# Altium PCB MB1404.PcbDoc (part 4 of 7)
Units mm, origin at the board's own origin, x right, y up, seen from the top; angles counter-clockwise.
Board outline 70 x 133.34 mm, 6 copper layers (Top Layer, Signal Layer 1, Signal Layer 2, Signal Layer 3, Signal Layer 4, Bottom Layer), stack 1.57 mm thick; 345 components, 311 nets, 1508 pads, 1746 vias.
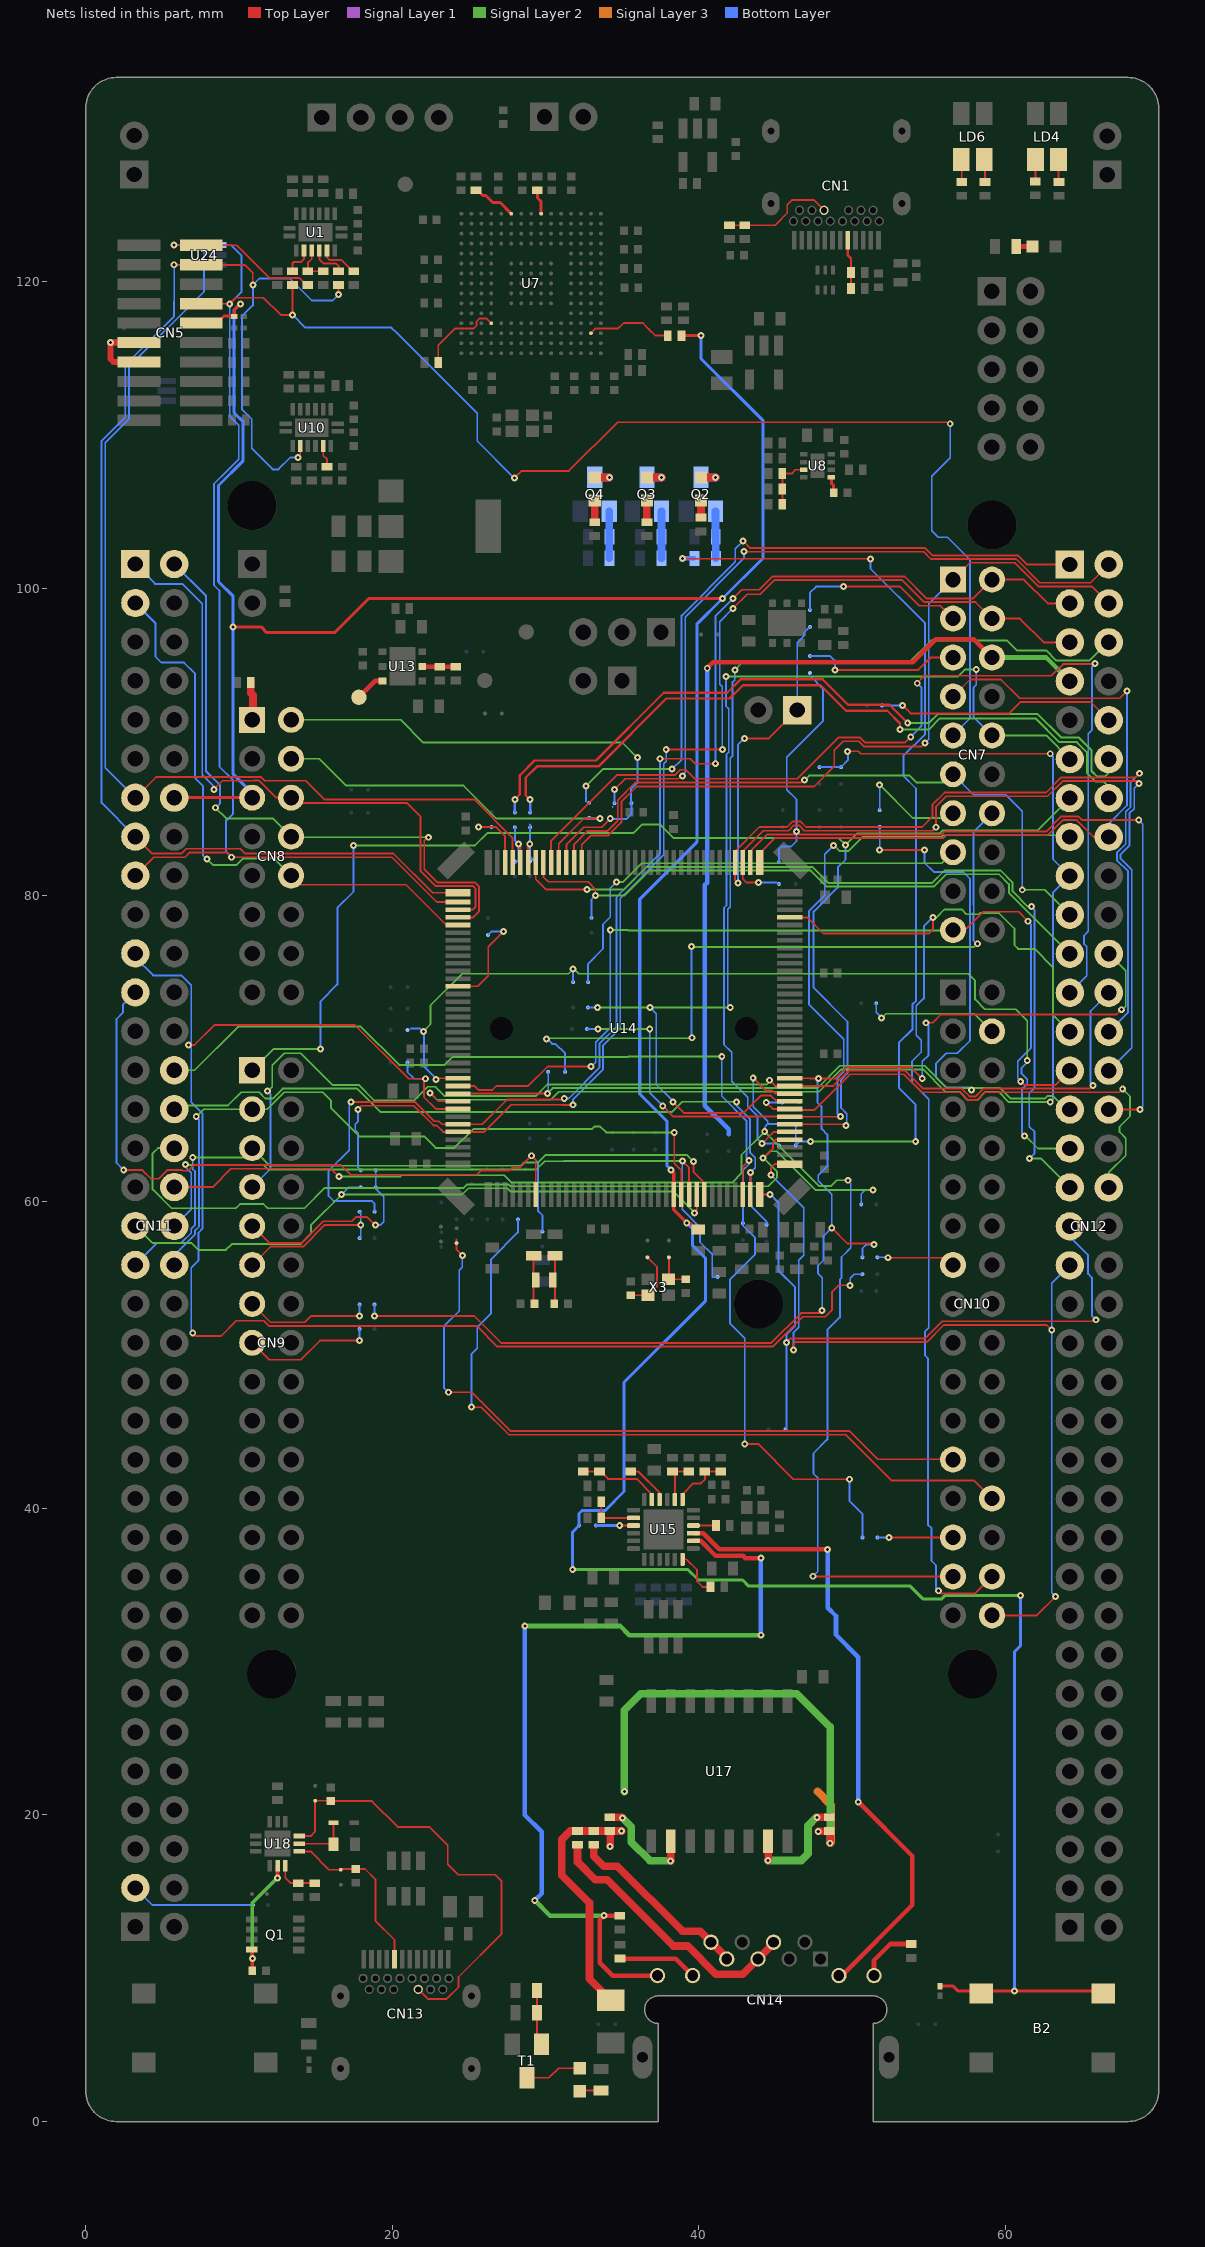
[diagram p8: the nets of this part, all layers, seen from the top]

## Via types
v1: diameter 0.45, hole 0.2, Top Layer to Bottom Layer, tented both sides, 1737 vias
v2: diameter 0.6, hole 0.3, Top Layer to Bottom Layer, tented both sides, 9 vias

## Nets (pads, with @x,y where several pads share a name; then routed paths per layer and width w, separated by ;. In a path a pad name is that pad's centre, name@x,y a point inside that pad or via, vN(x,y) a via of type N, cw(c..) or ccw(c..) an arc to the next point about the centre after c; other vN are vias at no path point) (continued)
NetC86_1: C86.1 CN13.B5 SB5.2 U18.9 | length 29.5
  Top Layer w0.12: U18.9@13.95,18.625 14.675,18.625 14.975,18.925 SB5.2@14.975,20.925 15.975,20.925 C86.1@16,20.9 18.675,20.9 20.35,19.225 22.425,19.225 23.625,18.025 23.625,16.775 24.3,16.1 26.725,16.1 27.125,15.7 27.125,12.23 24.325,9.43 24.325,8.775 23.55,8 22.325,8 CN13.B5@21.7,8.625
NetC87_1: C87.1 D1.2 U18.8 | length 3.6
  Top Layer w0.12: U18.8@13.95,18.125 16.15,18.125 C87.1@16.175,18.1 D1.2@16.175,19.5
NetC88_1: C88.1 CN13.A5 SB6.2 U18.7 | length 11.2
  Top Layer w0.12: U18.7@13.95,17.625 14.675,17.625 15.875,16.425 SB6.2@16.65,16.425 16.686,16.425 16.736,16.475 C88.1@17.625,16.475 18.225,16.475 18.9,15.8 18.9,13.1 20.15,11.85 20.15,10.925 CN13.A5@20.175,10.9
NetC90_1: C90.1 Q1.4 U18.5 | length 8.2
  Top Layer w0.25: Q1.4@10.85,11.225 10.875,11.2 v1(10.875,10.625) C90.1@10.875,9.825 ; v1(12.525,15.9) U18.5@12.525,16.7
  Signal Layer 2 w0.25: v1(10.875,10.625) 10.875,14.25 v1(12.525,15.9)
NetC91_2: C91.2 R51.1 R52.1 R53.1 R54.1 | length 50.1
  Top Layer w0.3: R51.1@34.141,18.904 R51.1@34.191,18.954 R51.1@34.216,18.929 ; R52.1@48.516,18.979 48.566,18.929 R52.1@48.616,18.979
  Top Layer w0.5: v1(34.216,17.954) R51.1@34.216,18.929 ; C91.2@34.25,7.925 32.866,9.309 32.866,14.279 31.066,16.079 31.066,18.4 31.62,18.954 R53.1@32.091,18.954 R54.1@33.141,18.954 R51.1@34.191,18.954 v1(34.966,18.954) ; v1(47.791,18.929) 48.566,18.929 v1(48.566,18.154)
  Signal Layer 2 w0.5: v1(35.141,21.529) 35.141,26.837 36.212,27.909 46.391,27.909 48.566,25.734 v1(48.566,18.154)
  Signal Layer 3 w0.5: 47.746,21.529 48.625,20.65 48.625,18.213 v1(48.566,18.154)
NetC92_2: C92.2 U8.1 | length 1
  Top Layer w0.2: U8.1@48.65,107.25 48.65,106.875 48.8,106.725 C92.2@48.8,106.35
NetCN1_A5: CN1.A5 R11.1 R27.1 | length 3.2
  Top Layer w0.155: CN1.A5@49.725,122.715 49.725,121.725 49.925,121.525 R11.1@49.925,120.625 R27.1@49.925,119.575
NetCN1_B5: CN1.B5 R64.1 R76.1 | length 7.4
  Top Layer w0.12: R64.1@42,123.7 R76.1@43,123.7 44.975,123.7 45.775,124.5 45.775,125.025 46.1,125.35 47.5,125.35 CN1.B5@48.15,124.7
NetCN5_11: CN5.11 CN5.13 SB84.2 | length 4.9
  Top Layer w0.4: v1@1.6,116.05 v1(1.625,116.05) CN5.11@3.476,116.05 ; v1@1.625,116.025 1.625,114.975 1.82,114.78 2.755,114.78 CN5.13@2.775,114.8
  Bottom Layer w0.4: v1(1.625,116.05) 2.35,116.05
NetCN7_3: CN7.3 SB10.2 | length 11.5
  Top Layer w0.12: v1(49.45,100.125) 53.136,100.125 54.381,98.88 55.749,98.88 CN7.3@56.586,98.043
  Bottom Layer w0.12: SB10.2@47.25,98.6 47.25,99.725 47.65,100.125 v1(49.45,100.125)
NetCN7_5: CN7.5 SB12.2 | length 10.4
  Top Layer w0.127: v1(48.875,94.7) 54.325,94.7 55.128,95.503 56.472,95.503 CN7.5@56.575,95.4
  Bottom Layer w0.127: SB12.2@47.25,95.6 48.575,95.6 48.871,95.304 48.871,94.704 v1(48.875,94.7)
NetCN7_6: CN7.6 CN12.7 SB46.1 | length 56.7
  Top Layer w0.3: v1@40.55,94.825 40.925,95.2 53.95,95.2 55.448,96.698 57.931,96.698 CN7.6@59.126,95.503
  Signal Layer 2 w0.3: CN7.6@59.126,95.503 62.657,95.503 CN12.7@64.206,93.954
  Bottom Layer w0.3: v1(40.55,94.8) 40.55,80.817 40.4,80.667 40.4,66.275 41.95,64.725 SB46.1@41.95,64.4
NetCN7_13: CN7.13 SB17.2 | length 7.5
  Signal Layer 2 w0.12: v1(51.8,87.2) 53.975,85.025 56.268,85.025 CN7.13@56.586,85.343
  Bottom Layer w0.12: SB17.2@51.8,85.55 v1(51.8,87.2)
NetCN7_14: CN7.14 SB41.1 | length 46.2
  Signal Layer 2 w0.12: v1(30.075,70.625) 30.113,70.663 39.512,70.663 v1(39.55,70.7) ; v1(39.525,76.65) 39.5,76.625 56.121,76.625 56.128,76.618 57.967,76.618 v1(58.178,76.829)
  Bottom Layer w0.12: v1(30.075,70.625) 30.106,70.625 30.431,70.3 30.65,70.3 31.275,69.675 SB41.1@31.275,68.475 ; v1(39.525,76.65) 39.525,70.725 v1(39.55,70.7) ; v1(58.178,76.829) 58.175,76.826 58.175,76.8 57.931,77.044 57.931,78.883 57.935,78.887 57.935,79.345 57.931,79.349 57.931,84.148 CN7.14@59.126,85.343
NetCN7_15: CN7.15 SB33.2 | length 30.1
  Signal Layer 2 w0.12: v1(34.625,80.85) 35.05,80.85 36.28,82.08 55.863,82.08 CN7.15@56.586,82.803
  Bottom Layer w0.12: SB33.2@32.775,74.325 32.775,75.525 33.75,76.5 33.75,78.1 34.225,78.575 34.225,80.45 v1(34.625,80.85)
NetCN8_1: CN8.1 R96.1 | length 2.3
  Top Layer w0.5: R96.1@10.775,93.875 10.78,93.87 10.78,93.184 10.925,93.039 CN8.1@10.925,91.625
NetCN9_9: CN9.9 SB52.2 SB53.2 | length 13.6
  Top Layer w0.12: CN9.9@10.866,58.419 11.971,57.314 14.099,57.314 15.513,58.728 17.352,58.728 17.625,59 18.375,59 v1(18.9,58.475)
  Bottom Layer w0.12: v1(18.9,58.475) 19.225,58.475 19.45,58.7 19.45,60.325 18.925,60.85 SB53.2@18.925,60.95 SB52.2@18.925,62.05
NetCN9_11: CN9.11 SB57.2 SB60.2 | length 10
  Top Layer w0.12: CN9.11@10.866,55.879 12.061,57.074 14.198,57.074 15.612,58.488 v1(17.95,58.488)
  Bottom Layer w0.12: SB60.2@17.875,57.625 17.95,57.7 v1(17.95,58.488) 17.95,59.275 SB57.2@17.875,59.35
NetCN9_13: CN9.13 SB66.2 | length 8.4
  Top Layer w0.12: CN9.13@10.866,53.339 12.061,52.144 14.3,52.144 14.706,52.55 v1(17.875,52.55)
  Bottom Layer w0.12: v1(17.875,52.55) SB66.2@17.875,53.3
NetCN9_15: CN9.15 SB67.2 | length 8.7
  Top Layer w0.12: CN9.15@10.866,50.799 11.971,49.694 14.044,49.694 15.3,50.95 v1(17.875,50.95)
  Bottom Layer w0.12: v1(17.875,50.95) SB67.2@17.875,51.7
NetCN10_4: CN10.4 SB35.1 | length 8.9
  Signal Layer 2 w0.12: v1(51.925,72) 51.925,71.975 52.212,72.262 57.983,72.262 CN10.4@59.126,71.119
  Bottom Layer w0.12: SB35.1@51.575,72.944 51.575,72.35 v1(51.925,72)
NetCN10_15: CN10.15 SB61.2 | length 5.1
  Top Layer w0.12: v1(52.35,56.35) 56.115,56.35 CN10.15@56.586,55.879
  Bottom Layer w0.12: SB61.2@51.65,56.375 52.325,56.375 v1(52.35,56.35)
NetCN10_25: CN10.25 SB70.2 | length 45.5
  Top Layer w0.12: v1(23.675,47.575) 25.183,47.575 27.708,45.05 49.825,45.05 51.675,43.2 56.565,43.2 CN10.25@56.586,43.179 ; 24.2,57.542 24.2,56.875 v1(24.575,56.5)
  Bottom Layer w0.12: v1(23.675,47.575) 23.375,47.875 23.375,51.875 24.375,52.875 24.375,55.525 24.575,55.725 v1(24.575,56.5)
NetCN10_28: CN10.28 SB71.1 | length 49.9
  Top Layer w0.12: v1(25.175,46.6) 25.819,46.6 27.619,44.8 49.575,44.8 52.55,41.825 57.94,41.825 CN10.28@59.126,40.639
  Bottom Layer w0.12: v1(25.175,46.6) 25.175,50.075 25.55,50.45 25.55,51.825 26.45,52.725 26.45,56.25 28.2,58 SB71.1@28.2,58.85
NetCN10_29: CN10.29 SB73.2 | length 4.9
  Top Layer w0.12: v1(52.399,38.099) CN10.29@56.586,38.099
  Bottom Layer w0.12: SB73.2@51.65,38.1 52.398,38.1 v1(52.399,38.099)
NetCN11_69: CN11.69 SB75.2 | length 8.1
  Bottom Layer w0.12: CN11.69@3.246,15.239 4.36,14.125 SB75.2@10.925,14.125
NetCN12_1: CN12.1 SB20.2 | length 45.9
  Top Layer w0.12: v1(42.891,103.104) 43.351,102.644 54.765,102.644 55.241,102.168 60.806,102.168 61.4,101.574 CN12.1@64.206,101.574
  Signal Layer 2 w0.12: v1(32.65,87.125) 33.748,88.223 38.24,88.223 v1(38.252,88.235)
  Bottom Layer w0.12: 32.65,86.1 32.65,87.075 v1@32.7,87.125 ; v1(38.252,88.235) 38.264,88.235 38.875,88.846 38.875,98.239 42.375,101.739 42.375,102.588 v1(42.891,103.104)
NetCN12_2: CN12.2 SB19.1 | length 47.2
  Top Layer w0.12: v1(34.5,86.9) 35.19,87.59 38.676,87.59 38.861,87.775 v1(38.95,87.775) ; v1(42.943,102.406) 42.941,102.404 54.666,102.404 55.142,101.928 60.706,101.928 62.255,100.379 65.551,100.379 CN12.2@66.746,101.574
  Bottom Layer w0.12: 34.375,85.762 34.388,85.75 ; SB19.1@34.5,86 34.5,86.825 v1@34.55,86.875 ; v1(38.95,87.775) 38.95,87.85 39.115,88.015 39.115,98.14 42.943,101.968 v1(42.943,102.406)
NetCN12_10: CN12.10 SB13.1 | length 15.8
  Top Layer w0.12: v1(53.3,92.375) 53.817,91.858 60.258,91.858 61.009,92.609 65.551,92.609 CN12.10@66.746,91.414
  Bottom Layer w0.12: SB13.1@51.95,92.375 v1(53.3,92.375)
NetCN12_12: CN12.12 SB22.1 | length 48.4
  Top Layer w0.155: v1(28,86.25) 28.325,86.575 28.325,87.814 29.292,88.781 33.292,88.781 37.717,93.206 41.856,93.206 42.725,94.075 48.089,94.075 49.739,92.425 52.432,92.425 v1(53.628,91.229)
  Signal Layer 2 w0.13: v1(53.628,91.229) 55.004,91.229 55.608,91.833 62.088,91.833 63.637,90.284 64.79,90.284 65.616,89.458 65.616,88.1 65.991,87.725 66.475,87.725 66.746,87.996 CN12.12@66.746,88.874
  Bottom Layer w0.155: v1@27.95,86.2 28,86.15 SB22.1@28,85.4
NetCN12_14: CN12.14 SB21.1 | length 48
  Top Layer w0.155: v1@28.975,86.25 28.706,86.519 28.706,87.656 29.45,88.4 33.45,88.4 37.875,92.825 42.014,92.825 42.883,93.694 47.931,93.694 49.6,92.025 52.293,92.025 53.125,91.193 v1(53.125,90.8)
  Signal Layer 2 w0.13: v1(53.125,90.8) 54.999,90.8 55.732,91.533 61.964,91.533 63.513,89.984 64.666,89.984 65.316,89.334 65.316,87.976 65.867,87.425 66.375,87.425 66.746,87.054 CN12.14@66.746,86.334
  Bottom Layer w0.155: SB21.1@29,85.4 v1(29,86.25) v1@29.025,86.275
NetCN14_4: CN14.4 CN14.5 R53.2 | length 17.9
  Top Layer w0.5: R53.2@32.091,18.054 32.091,16.929 33.241,15.779 34.016,15.779 38.341,11.454 39.266,11.454 41.116,9.604 42.863,9.604 CN14.5@43.859,10.6 44.879,11.62 CN14.4@44.879,11.7
NetCN14_7: CN14.7 CN14.8 R54.2 | length 12.3
  Top Layer w0.5: R54.2@33.141,18.054 33.141,17.304 33.791,16.654 34.691,16.654 38.941,12.404 40.095,12.404 CN14.8@40.799,11.7 41.819,10.68 CN14.7@41.819,10.6
NetCN14_9: CN14.9 R58.2 | length 3.9
  Top Layer w0.3: CN14.9@51.429,9.52 51.429,10.516 52.491,11.579 R58.2@53.866,11.579
NetCN14_10: CN14.10 U15.3 | length 41.4
  Top Layer w0.3: U15.3@39.641,38.379 40.291,38.379 41.341,37.329 48.396,37.329 v1(48.4,37.325) ; CN14.10@49.139,9.52 49.32,9.52 53.925,14.125 53.925,17.325 v1(50.4,20.85)
  Bottom Layer w0.3: v1(48.4,37.325) 48.4,33.526 48.95,32.976 48.95,31.75 50.4,30.3 v1(50.4,20.85)
NetCN14_11: CN14.11 R59.2 | length 5.2
  Top Layer w0.3: R59.2@34.866,10.629 38.489,10.629 CN14.11@39.599,9.52
NetCN14_12: CN14.12 R57.2 U15.2 | length 57.4
  Top Layer w0.3: R57.2@34.841,13.423 34.835,13.429 v1(33.816,13.429) 33.541,13.154 33.541,10.354 34.375,9.52 CN14.12@37.309,9.52 ; U15.2@39.641,37.879 40.116,37.879 41.091,36.904 42.891,36.904 43.041,36.754 v1(44.05,36.754)
  Signal Layer 2 w0.3: v1(28.65,32.325) 34.875,32.325 35.475,31.725 v1(44.05,31.725) ; v1(29.3,14.425) 30.296,13.429 v1(33.816,13.429)
  Bottom Layer w0.3: v1(28.65,32.325) 28.65,20 29.75,18.9 29.75,14.875 v1(29.3,14.425) ; v1(44.05,31.725) v1(44.05,36.754)
NetLD1_1: LD1.1 R24.1 | length 1.1
  Top Layer w0.5: R24.1@40.141,104.629 LD1.1@40.141,105.747
NetLD1_2: LD1.2 Q2.3 | length 1.9
  Top Layer w0.5: LD1.2@40.141,107.247 41.092,107.247 v1(41.099,107.254)
  Bottom Layer w0.5: Q2.3@40.141,107.247 41.092,107.247 v1(41.099,107.254)
NetLD2_1: LD2.1 R26.1 | length 1.2
  Top Layer w0.5: R26.1@36.616,104.579 LD2.1@36.616,105.747
NetLD2_2: LD2.2 Q3.3 | length 1.9
  Top Layer w0.5: LD2.2@36.616,107.247 37.567,107.247 v1(37.574,107.254)
  Bottom Layer w0.5: Q3.3@36.616,107.247 37.567,107.247 v1(37.574,107.254)
NetLD3_1: LD3.1 R25.1 | length 1.2
  Top Layer w0.5: LD3.1@33.208,105.747 33.208,104.587 R25.1@33.216,104.579
NetLD3_2: LD3.2 Q4.3 | length 1.9
  Top Layer w0.5: LD3.2@33.208,107.247 34.159,107.247 v1(34.166,107.254)
  Bottom Layer w0.5: Q4.3@33.208,107.247 34.159,107.247 v1(34.166,107.254)
NetLD4_1: LD4.1 R9.1 | length 1.5
  Top Layer w0.12: LD4.1@63.466,127.979 63.466,126.552 R9.1@63.491,126.527
NetLD4_2: LD4.2 R8.2 | length 1.4
  Top Layer w0.12: R8.2@61.941,126.552 61.966,126.577 LD4.2@61.966,127.979
NetLD5_1: LD5.1 R12.1 | length 1
  Top Layer w0.3: R12.1@60.713,122.312 LD5.1@61.763,122.312
NetLD6_1: LD6.1 R4.1 | length 1.5
  Top Layer w0.12: LD6.1@58.625,127.979 58.675,127.929 R4.1@58.675,126.525
NetLD6_2: LD6.2 R3.1 | length 1.5
  Top Layer w0.12: LD6.2@57.125,127.979 57.15,127.954 R3.1@57.15,126.525
NetLD7_1: LD7.1 R63.1 | length 1.4
  Top Layer w0.12: LD7.1@32.241,1.979 32.287,2.025 R63.1@33.625,2.025
NetLD7_2: LD7.2 T1.3 | length 3.7
  Top Layer w0.12: T1.3@28.792,2.852 30.227,2.852 30.854,3.479 LD7.2@32.241,3.479
NetQ2_1: Q2.1 R65.2 R70.2 | length 3.1
  Bottom Layer w0.5: Q2.1@41.091,105.047 41.091,103.405 R65.2@41.111,103.385 41.114,103.382 R70.2@41.114,101.967
NetQ3_1: Q3.1 R66.2 R68.2 | length 3.1
  Bottom Layer w0.5: R68.2@37.566,101.979 R66.2@37.566,103.379 Q3.1@37.566,105.047
NetQ4_1: Q4.1 R67.2 R69.2 | length 3.1
  Bottom Layer w0.5: Q4.1@34.158,105.047 34.158,103.387 R67.2@34.166,103.379 R69.2@34.166,101.979
NetR5_1: R5.1 U7.F15 | length 2.9
  Top Layer w0.2: R5.1@25.466,125.979 25.566,125.979 25.891,125.654 26.086,125.654 26.561,125.179 27.041,125.179 U7.F15@27.766,124.454
NetR6_1: R6.1 U7.J15 | length 1.6
  Top Layer w0.2: R6.1@29.475,126 29.475,125.475 29.716,125.234 U7.J15@29.716,124.454
NetR10_1: R10.1 U7.D4 | length 5.6
  Top Layer w0.12: R10.1@23,114.75 23,115.875 24.1,116.975 25.325,116.975 25.5,117.15 25.5,117.419 25.69,117.609 26.161,117.609 U7.D4@26.466,117.304
NetR29_1: R29.1 R30.2 U13.5 | length 2.2
  Top Layer w0.3: U13.5@21.966,94.929 21.995,94.9 R29.1@23.1,94.9 R30.2@24.15,94.9
NetR36_1: R36.1 R37.2 U15.11 | length 5.4
  Top Layer w0.127: R36.1@32.466,42.404 R37.2@33.516,42.404 33.616,42.404 34.091,41.929 35.941,41.929 36.941,40.929 U15.11@36.941,40.579
NetR38_1: R38.1 U15.10 | length 2.9
  Top Layer w0.127: R38.1@35.566,42.404 36.041,42.404 37.441,41.004 U15.10@37.441,40.579
NetR39_1: R39.1 R40.2 U15.8 | length 2.9
  Top Layer w0.127: U15.8@38.441,40.579 38.441,42.254 R39.1@38.291,42.404 R40.2@39.341,42.404
NetR41_2: R41.2 R42.1 U15.7 | length 3.8
  Top Layer w0.127: U15.7@38.941,40.579 38.941,40.929 39.641,41.629 40.141,41.629 40.391,41.879 R41.2@40.391,42.404 R42.1@41.441,42.404
NetR44_1: R44.1 R45.2 U15.14 | length 3.1
  Top Layer w0.12: R44.1@33.641,40.379 R45.2@33.641,39.379 U15.14@35.741,39.379
NetR46_2: R46.2 U15.4 | length 1.5
  Top Layer w0.12: U15.4@39.641,38.879 R46.2@41.116,38.879
NetR47_1: R47.1 U15.24 | length 3
  Top Layer w0.12: U15.24@38.941,36.679 39.191,36.679 39.891,35.979 39.891,35.229 40.241,34.879 R47.1@40.766,34.879
NetR51_2: R51.2 U17.10 | length 7
  Top Layer w0.5: R51.2@34.191,19.854 34.971,19.854 v1@35,19.825 ; U17.10@38.171,18.284 38.171,17.004 v1@38.175,17
  Signal Layer 2 w0.5: v1@35,19.825 35.6,19.225 35.6,18.225 36.821,17.004 v1(38.166,17.004)
  other v1: 35.016,19.804
NetR52_2: R52.2 U17.15 | length 7.5
  Top Layer w0.5: U17.15@44.521,18.284 44.521,17.029 v1@44.525,17.025 ; v1@47.725,19.825 47.754,19.854 R52.2@48.516,19.854
  Signal Layer 2 w0.5: v1(44.516,17.029) 46.679,17.029 47.125,17.475 47.125,19.3 v1@47.675,19.85
  other v1: 47.716,19.829
NetR55_1: R55.1 R56.1 U18.6 | length 2.9
  Top Layer w0.12: U18.6@13.025,16.7 13.025,15.9 13.375,15.55 R55.1@13.875,15.55 R56.1@14.95,15.55
NetR60_2: R60.2 R61.2 T1.1 | length 3.6
  Top Layer w0.12: R60.2@29.45,8.55 R61.2@29.45,7.1 29.45,5.343 T1.1@29.742,5.052
NetR70_1: R70.1 SB43.2 SB51.2 | length 63.8
  Top Layer w0.127: v1(38.939,101.967) 38.96,101.946 51.179,101.946 v1(51.2,101.925)
  Signal Layer 2 w0.127: v1(47.3,63.925) v1(54.15,63.925)
  Bottom Layer w0.12: v1@51.225,101.9 51.2,101.875 51.2,101.289 54.761,97.728 54.761,90.509 53.35,89.098 53.35,87.779 54.17,86.959 54.17,83.452
  Bottom Layer w0.127: SB51.2@46.3,63.675 SB51.2@46.325,63.7 ; SB43.2@46.5,65.075 46.325,64.9 SB51.2@46.325,63.7 ; v1(47.3,63.925) 46.55,63.925 SB51.2@46.325,63.7 ; v1(54.15,63.925) 54.15,66.341 53.059,67.432 53.059,70.359 53.942,71.242 53.942,72.873 54.17,73.102 54.17,83.452
  Bottom Layer w0.3: v1(38.939,101.967) R70.1@39.714,101.967
NetR77_1: R77.1 U10.14 | length 1.4
  Top Layer w0.12: U10.14@15.5,109.3 15.5,108.675 15.75,108.425 R77.1@15.75,108.025
NetR82_1: R82.1 U1.14 | length 2.3
  Top Layer w0.12: U1.14@15.75,122.05 15.75,121.595 15.905,121.44 16.665,121.44 17.255,120.85 R82.1@17.325,120.85
NetR83_1: R83.1 U1.13 | length 2.2
  Top Layer w0.12: U1.13@15.25,122.05 15.25,121.475 15.525,121.2 16.35,121.2 16.5,121.05 R83.1@16.5,120.825
NetR84_1: R84.1 R90.1 U1.12 | length 2.5
  Top Layer w0.12: U1.12@14.75,122.05 14.75,121.5 14.5,121.25 R84.1@14.5,120.7 R90.1@15.5,120.7
NetR86_1: R86.1 R87.1 R88.1 U8.7 | length 3.5
  Top Layer w0.12: R87.1@45.45,105.5 R86.1@45.45,106.5 R88.1@45.45,107.5 46.05,107.5 46.3,107.75 U8.7@46.85,107.75
NetR91_1: R91.1 U7.P3 | length 5.6
  Top Layer w0.12: U7.P3@32.966,116.654 33.287,116.975 34.75,116.975 35.1,117.325 36.35,117.325 36.75,116.925 37.175,116.5 R91.1@37.975,116.5
NetR92_1: R92.1 U1.11 | length 1.9
  Top Layer w0.12: R92.1@13.5,120.7 13.5,121.23 13.57,121.3 14.025,121.3 14.25,121.525 U1.11@14.25,122.05
NetSB26_2: SB26.2 U14.106 | length 4.6
  Top Layer w0.127: v1(25.625,84.45) 26.75,84.45 27.366,83.834 U14.106@27.366,82.129
  Bottom Layer w0.127: v1(25.625,84.45) SB26.2@26.475,84.45
NetSB32_2: SB32.2 U14.121 | length 6.6
  Top Layer w0.12: U14.121@24.291,74.054 25.573,74.054 26.271,74.752 26.271,76.646 v1(27.25,77.625)
  Bottom Layer w0.12: SB32.2@26.275,77.425 26.475,77.625 v1(27.25,77.625)
NetSB72_2: SB72.2 U15.15 | length 2.5
  Top Layer w0.12: v1(34.841,38.879) U15.15@35.741,38.879
  Bottom Layer w0.2: SB72.2@33.291,38.879 v1(34.841,38.879)
NetTP3_1: TP3.1 U13.3 | length 2
  Top Layer w0.3: TP3.1@17.825,92.909 18.895,93.979 U13.3@19.366,93.979
NRST: B2.1 B2.2 C59.2 CN5.10 CN8.5 CN11.14 R91.2 SB72.1 U14.25 U21.1 U23.1 | length 236.5
  Top Layer w0.2: CN11.14@5.786,86.359 CN8.5@10.866,86.359 ; CN5.10@7.546,117.32 8.571,117.32 9.026,117.775 U23.1@9.65,117.775 ; v1(9.625,97.5) 11.45,97.5 11.825,97.125 16.242,97.125 18.467,99.35 v1(41.55,99.35) ; U23.1@9.688,117.75 9.688,117.8 9.703,117.815 9.703,118.178 10.093,118.568 v1(10.093,118.57) ; v1(38.2,62.075) 38.366,61.909 U14.25@38.366,60.479 38.366,59.472 v1(39.213,58.625) 39.4,58.625 39.825,58.2 C59.2@39.975,58.2 ; R91.2@38.875,116.5 v1(40.15,116.5) ; U21.1@55.748,8.835 56.59,8.835 56.9,8.525 58.425,8.525 58.514,8.436 58.6,8.523 v1(60.6,8.523) 66.205,8.523 B2.2@66.378,8.35
  Signal Layer 2 w0.2: v1(31.775,36) v1(31.775,36) 39.301,35.999 39.976,35.324 42.861,35.324 43.26,34.925 53.8,34.925 54.65,34.075 55.825,34.075 56.075,34.325 v1(60.975,34.325)
  Bottom Layer w0.2: v1(10.093,118.57) 9.68,118.157 9.68,111.474 10.275,110.879 10.275,108.329 8.675,106.729 8.675,100.45 9.625,99.5 v1(9.625,97.5) 9.625,87.897 10.866,86.656 CN8.5@10.866,86.359 ; v1(31.775,36) 31.775,38.463 SB72.1@32.191,38.879 32.191,39.666 32.379,39.854 33.879,39.854 35.121,41.096 35.121,48.221 40.45,53.55 40.45,56.304 40.159,56.595 40.155,56.595 39.6,57.15 39.6,58.238 v1(39.213,58.625) ; v1(38.2,62.075) 37.925,62.35 37.925,65.25 36.15,67.025 36.15,79.734 39.875,83.459 39.875,97.675 v1(41.55,99.35) 44.2,102 44.2,110.95 40.15,115 v1(40.15,116.5) ; v1(60.6,8.523) 60.6,30.65 60.975,31.025 v1(60.975,34.325)
OSC32_IN: C72.1 R34.2 X2.2 | length 3.1
  Top Layer w0.12: R34.2@29.225,56.475 29.225,54.9 29.225,53.4 C72.1@29.275,53.35
OSC32_OUT: C73.1 R35.2 X2.1 | length 3.1
  Top Layer w0.12: C73.1@30.575,53.35 30.625,53.4 30.625,54.9 R35.2@30.625,56.475
OSC_IN: C71.1 SB3.2 X3.1 | length 4.1
  Top Layer w0.12: C71.1@35.55,53.9 X3.1@36.675,53.9 37.17,54.395 37.175,54.395 37.28,54.5 37.28,55.745 SB3.2@36.65,56.375
OSC_OUT: C70.1 SB4.2 X3.3 | length 2.5
  Top Layer w0.12: SB4.2@38.05,56.375 38.05,54.975 38.075,54.95 C70.1@39.15,54.95
PA0: CN11.28 SB59.2 SB73.1 U14.34 | length 80.1
  Top Layer w0.12: U14.34@42.866,60.479 42.866,62.291 v1(43.275,62.7) ; v1(43,44.2) 43.875,44.2 46.175,41.9 v1(49.825,41.9)
  Signal Layer 2 w0.12: CN11.28@5.786,68.579 7.104,68.579 9.947,71.422 17.953,71.422 20.452,68.923 23.417,68.923 23.929,69.435 35.381,69.435 35.421,69.475 v1(41.5,69.475)
  Bottom Layer w0.12: v1(41.5,69.475) 41.5,66.9 43.105,65.295 43.105,62.87 v1(43.275,62.7) 43.275,62.458 42.875,62.058 SB59.2@42.875,58.6 42.875,58.45 43.675,57.65 43.675,56.575 42.025,54.925 42.025,52.075 43,51.1 v1(43,44.2) ; v1(49.825,41.9) 49.825,40.5 50.675,39.65 SB73.1@50.675,38.1
PA1: CN11.30 SB58.1 U14.35 | length 50.3
  Top Layer w0.12: U14.35@43.366,60.479 v1(43.366,61.916)
  Signal Layer 2 w0.12: CN11.30@5.786,66.039 5.786,66.279 9.279,66.279 10.144,67.144 11.324,67.144 11.734,66.734 12.199,66.734 12.849,67.384 17.716,67.384 19.255,65.845 38.241,65.845 38.921,66.525 v1@42.425,66.525 ; 41.33,66.52 v1(42.453,66.52)